# KiCad board sizif512ext.kicad_pcb
title: ZX Sizif-512-ext; date: 2021-06-22; rev: A1
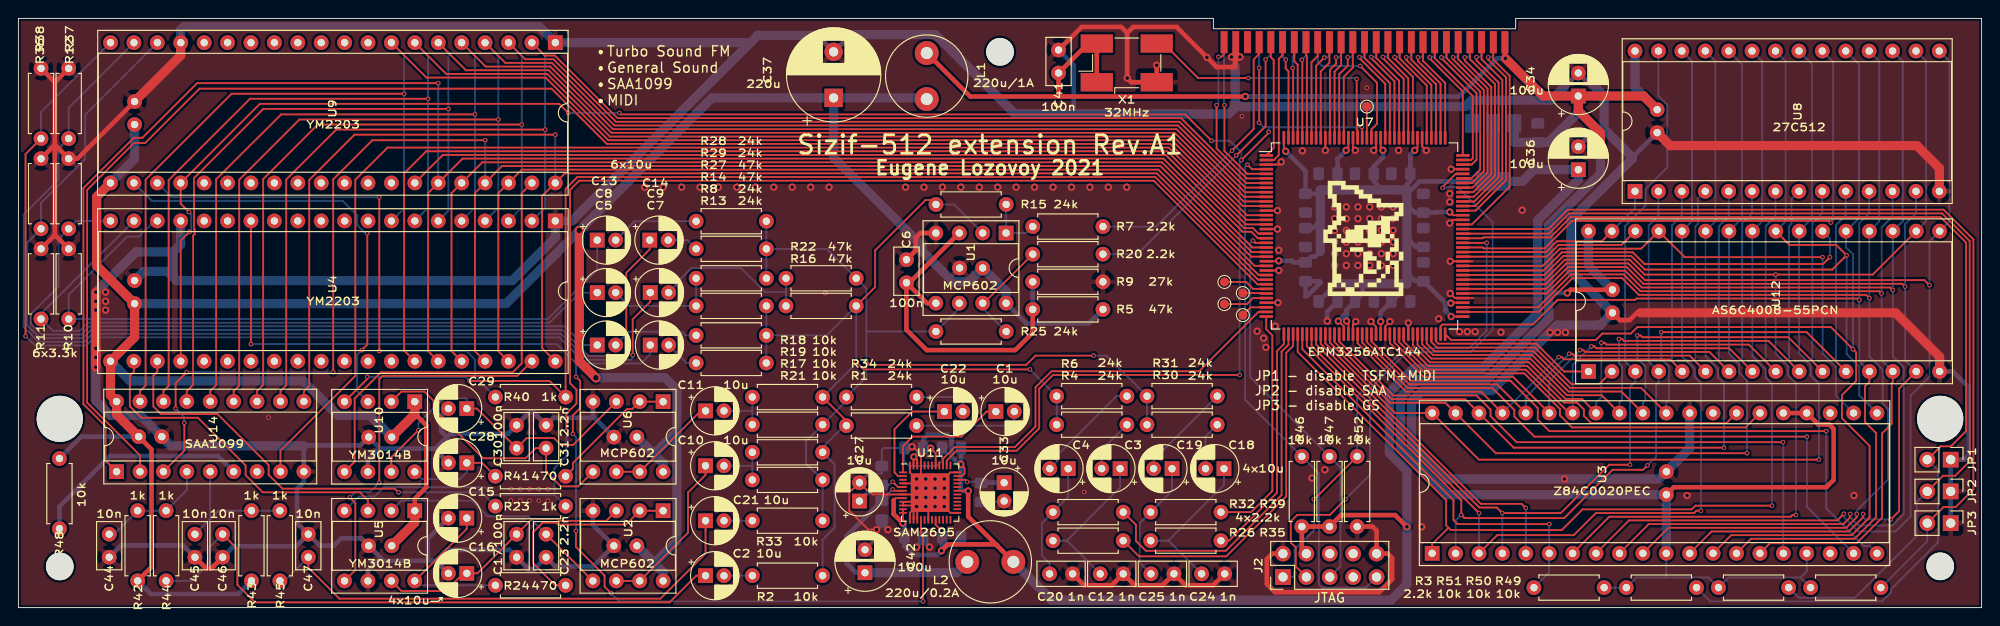
[diagram p0: board, top side]
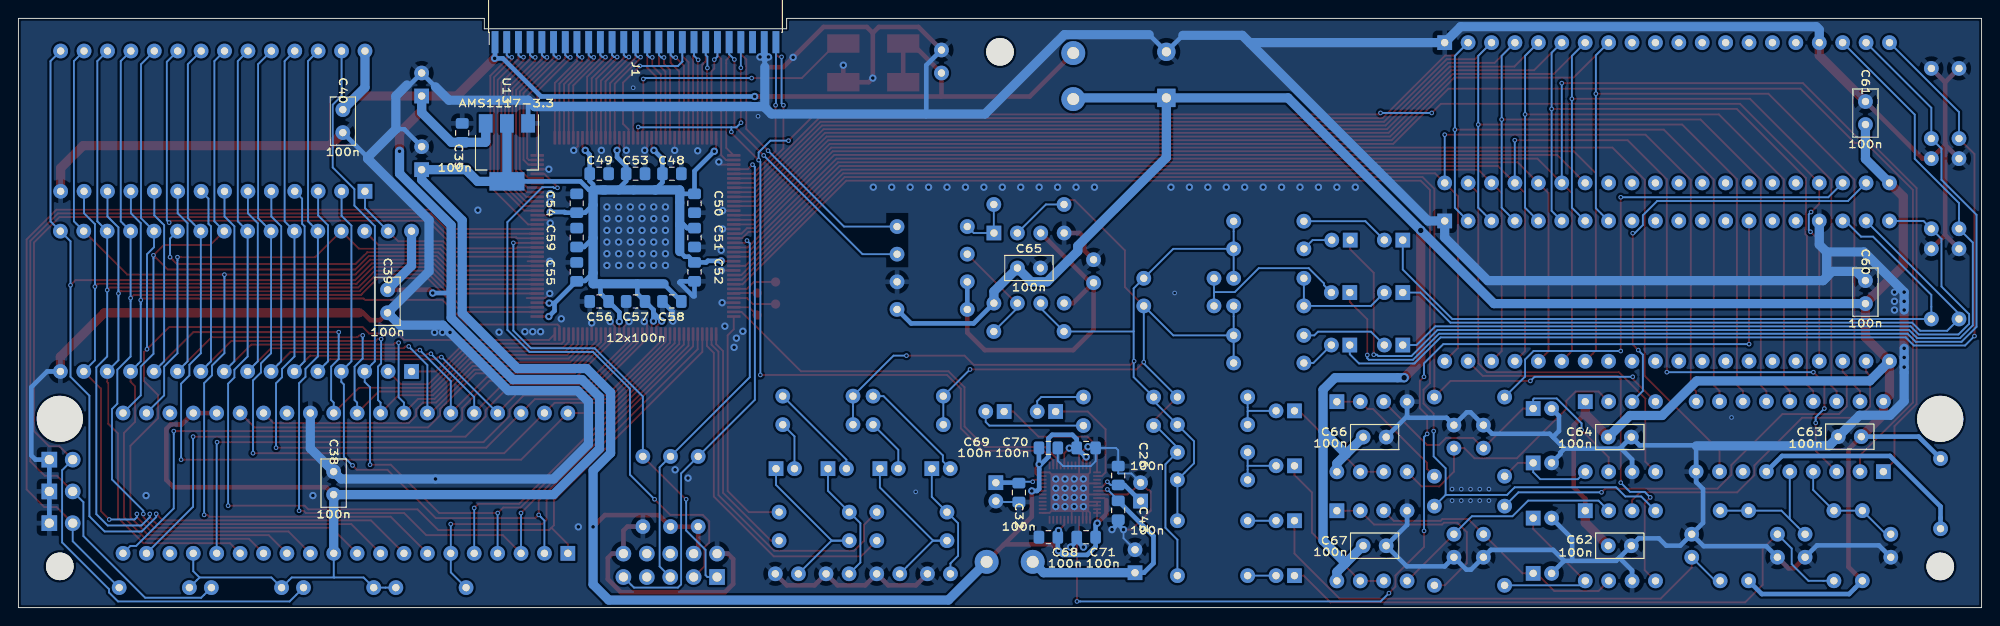
[diagram p1: board, bottom side, seen from below]

Outline 213 x 64 mm; copper layers: Top, Bottom. Coordinates in mm from the lower left corner of the outline.
Outline path: 0,64 129.65,64 129.65,62.87 162.45,62.87 162.45,64 213,64 213,0 0,0 0,64

## Placement (name value [footprint] x y rotation side)
C1  10u  [CP_Radial_D5.0mm_P2.00mm]  106.05 21.3 0 top
C2  10u  [CP_Radial_D5.0mm_P2.00mm]  74.55 3.47 0 top
C3  10u  [CP_Radial_D5.0mm_P2.00mm]  119.53 15.1 180 top
C4  10u  [CP_Radial_D5.0mm_P2.00mm]  113.9 15.1 180 top
C5  10u  [CP_Radial_D5.0mm_P2.00mm]  62.8 28.52 0 top
C6  100n  [C_Disc_D5.0mm_W2.5mm_P2.50mm]  96.35 37.79 270 top
C7  10u  [CP_Radial_D5.0mm_P2.00mm]  68.55 28.52 0 top
C8  10u  [CP_Radial_D5.0mm_P2.00mm]  62.8 34.22 0 top
C9  10u  [CP_Radial_D5.0mm_P2.00mm]  68.55 34.22 0 top
C10  10u  [CP_Radial_D5.0mm_P2.00mm]  74.55 15.4 0 top
C11  10u  [CP_Radial_D5.0mm_P2.00mm]  74.55 21.37 0 top
C12  1n  [C_Disc_D5.0mm_W2.5mm_P2.50mm]  117.38 3.67 0 top
C13  10u  [CP_Radial_D5.0mm_P2.00mm]  62.8 39.92 0 top
C14  10u  [CP_Radial_D5.0mm_P2.00mm]  68.5 39.92 0 top
C15  10u  [CP_Radial_D5.0mm_P2.00mm]  48.65 9.72 180 top
C16  10u  [CP_Radial_D5.0mm_P2.00mm]  48.65 3.72 180 top
C17  100n  [C_Disc_D5.0mm_W2.5mm_P2.50mm]  54.05 7.97 270 top
C18  10u  [CP_Radial_D5.0mm_P2.00mm]  130.8 15.1 180 top
C19  10u  [CP_Radial_D5.0mm_P2.00mm]  125.17 15.1 180 top
C20  1n  [C_Disc_D5.0mm_W2.5mm_P2.50mm]  111.88 3.67 0 top
C21  10u  [CP_Radial_D5.0mm_P2.00mm]  74.55 9.44 0 top
C22  10u  [CP_Radial_D5.0mm_P2.00mm]  100.46 21.3 0 top
C23  2.2n  [C_Disc_D5.0mm_W2.5mm_P2.50mm]  57.25 7.97 270 top
C24  1n  [C_Disc_D5.0mm_W2.5mm_P2.50mm]  128.38 3.67 0 top
C25  1n  [C_Disc_D5.0mm_W2.5mm_P2.50mm]  122.88 3.67 0 top
C26  100n  [C_0805_2012Metric_Pad1.15x1.40mm_HandSolder]  93.68 14.35 90 bottom
C27  10u  [CP_Radial_D5.0mm_P2.00mm]  91.25 11.57 90 top
C28  10u  [CP_Radial_D5.0mm_P2.00mm]  48.65 15.72 180 top
C29  10u  [CP_Radial_D5.0mm_P2.00mm]  48.65 21.62 180 top
C30  100n  [C_Disc_D5.0mm_W2.5mm_P2.50mm]  54.05 17.32 90 top
C31  2.2n  [C_Disc_D5.0mm_W2.5mm_P2.50mm]  57.25 17.32 90 top
C32  100n  [C_0805_2012Metric_Pad1.15x1.40mm_HandSolder]  104.45 12.5 270 bottom
C33  10u  [CP_Radial_D5.0mm_P2.00mm]  106.95 13.57 270 top
C34  100u  [CP_Radial_D6.3mm_P2.50mm]  169.25 55.57 90 top
C35  100n  [C_0805_2012Metric_Pad1.15x1.40mm_HandSolder]  164.85 51.57 270 bottom
C36  100u  [CP_Radial_D6.3mm_P2.50mm]  169.25 47.57 90 top
C37  220u  [CP_Radial_D10.0mm_P5.00mm]  88.45 55.37 90 top
C38  100n  [C_Disc_D5.0mm_W2.5mm_P2.50mm]  178.8 14.77 270 bottom
C39  100n  [C_Disc_D5.0mm_W2.5mm_P2.50mm]  172.95 32.03 90 bottom
C40  100n  [C_Disc_D5.0mm_W2.5mm_P2.50mm]  177.8 51.6 90 bottom
C41  100n  [C_Disc_D5.0mm_W2.5mm_P2.50mm]  112.85 60.57 270 top
C42  100u  [CP_Radial_D6.3mm_P2.50mm]  91.85 3.79 90 top
C43  100n  [C_0805_2012Metric_Pad1.15x1.40mm_HandSolder]  93.68 10.57 270 bottom
C44  10n  [C_Disc_D5.0mm_W2.5mm_P2.50mm]  9.85 7.97 270 top
C45  10n  [C_Disc_D5.0mm_W2.5mm_P2.50mm]  19.15 7.97 270 top
C46  10n  [C_Disc_D5.0mm_W2.5mm_P2.50mm]  22.15 7.97 270 top
C47  10n  [C_Disc_D5.0mm_W2.5mm_P2.50mm]  31.45 5.47 90 top
C48  100n  [C_0805_2012Metric_Pad1.15x1.40mm_HandSolder]  142.1 47.13 180 bottom
C49  100n  [C_0805_2012Metric_Pad1.15x1.40mm_HandSolder]  149.99 47.13 180 bottom
C50  100n  [C_0805_2012Metric_Pad1.15x1.40mm_HandSolder]  139.65 43.92 270 bottom
C51  100n  [C_0805_2012Metric_Pad1.15x1.40mm_HandSolder]  139.65 40.2 270 bottom
C52  100n  [C_0805_2012Metric_Pad1.15x1.40mm_HandSolder]  139.65 36.47 270 bottom
C53  100n  [C_0805_2012Metric_Pad1.15x1.40mm_HandSolder]  146.04 47.13 180 bottom
C54  100n  [C_0805_2012Metric_Pad1.15x1.40mm_HandSolder]  152.43 43.92 90 bottom
C55  100n  [C_0805_2012Metric_Pad1.15x1.40mm_HandSolder]  152.43 36.47 90 bottom
C56  100n  [C_0805_2012Metric_Pad1.15x1.40mm_HandSolder]  149.99 33.26 0 bottom
C57  100n  [C_0805_2012Metric_Pad1.15x1.40mm_HandSolder]  146.04 33.26 0 bottom
C58  100n  [C_0805_2012Metric_Pad1.15x1.40mm_HandSolder]  142.1 33.26 0 bottom
C59  100n  [C_0805_2012Metric_Pad1.15x1.40mm_HandSolder]  152.43 40.2 90 bottom
C60  100n  [C_Disc_D5.0mm_W2.5mm_P2.50mm]  12.6 35.52 270 bottom
C61  100n  [C_Disc_D5.0mm_W2.5mm_P2.50mm]  12.6 54.97 270 bottom
C62  100n  [C_Disc_D5.0mm_W2.5mm_P2.50mm]  38 6.72 0 bottom
C63  100n  [C_Disc_D5.0mm_W2.5mm_P2.50mm]  15.55 18.57 180 bottom
C64  100n  [C_Disc_D5.0mm_W2.5mm_P2.50mm]  38 18.52 0 bottom
C65  100n  [C_Disc_D5.0mm_W2.5mm_P2.50mm]  102.11 36.89 0 bottom
C66  100n  [C_Disc_D5.0mm_W2.5mm_P2.50mm]  64.6 18.52 0 bottom
C67  100n  [C_Disc_D5.0mm_W2.5mm_P2.50mm]  64.6 6.72 0 bottom
C68  100n  [C_0805_2012Metric_Pad1.15x1.40mm_HandSolder]  101.25 7.65 0 bottom
C69  100n  [C_0805_2012Metric_Pad1.15x1.40mm_HandSolder]  101.25 17.35 180 bottom
C70  100n  [C_0805_2012Metric_Pad1.15x1.40mm_HandSolder]  97.15 17.35 180 bottom
C71  100n  [C_0805_2012Metric_Pad1.15x1.40mm_HandSolder]  97.15 7.65 0 bottom
H1  MountingHole  [MountingHole_5mm_7mm_fence]  208.51 20.5 0 top
H2  MountingHole  [MountingHole_5mm_7mm_fence]  4.48 20.5 0 top
H3  MountingHole  [MountingHole_3mm]  106.5 60.37 0 top
H4  MountingHole  [MountingHole_3mm]  4.48 4.47 0 top
H5  MountingHole  [MountingHole_3mm]  208.51 4.47 0 top
J1  Conn_02x25_Odd_Even  [PinHeader_2x25_P1.27mm_Edge_SMD]  146.05 63.67 90 bottom
J2  PinHeader  [PinHeader_2x05_P2.54mm_Vertical]  137.2 3.32 90 top
JP1  Jumper / Pin header 1x2 Pitch=2.54mm  [PinHeader_1x02_P2.54mm_Vertical]  209.65 16.07 270 top
JP2  Jumper / Pin header 1x2 Pitch=2.54mm  [PinHeader_1x02_P2.54mm_Vertical]  209.65 12.62 270 top
JP3  Jumper / Pin header 1x2 Pitch=2.54mm  [PinHeader_1x02_P2.54mm_Vertical]  209.65 9.17 270 top
L1  220u/1A  [L_Radial_D8.7mm_P5.00mm_Fastron_07HCP]  98.55 60.24 270 top
L2  220u/0.2A  [L_Radial_D8.7mm_P5.00mm_Fastron_07HCP]  107.95 4.97 180 top
LOGO1  graphic  [black-mage2]  145.92 40.1 0 top
R1  24k  [R_Axial_DIN0207_L6.3mm_D2.5mm_P7.62mm_Horizontal]  89.83 19.77 0 top
R2  10k  [R_Axial_DIN0207_L6.3mm_D2.5mm_P7.62mm_Horizontal]  87.25 3.47 180 top
R3  2.2k  [R_Axial_DIN0207_L6.3mm_D2.5mm_P7.62mm_Horizontal]  172.05 2.17 180 top
R4  24k  [R_Axial_DIN0207_L6.3mm_D2.5mm_P7.62mm_Horizontal]  112.65 19.87 0 top
R5  47k  [R_Axial_DIN0207_L6.3mm_D2.5mm_P7.62mm_Horizontal]  110.05 32.39 0 top
R6  24k  [R_Axial_DIN0207_L6.3mm_D2.5mm_P7.62mm_Horizontal]  112.65 22.97 0 top
R7  2.2k  [R_Axial_DIN0207_L6.3mm_D2.5mm_P7.62mm_Horizontal]  117.67 41.39 180 top
R8  24k  [R_Axial_DIN0207_L6.3mm_D2.5mm_P7.62mm_Horizontal]  81.15 29.57 180 top
R9  27k  [R_Axial_DIN0207_L6.3mm_D2.5mm_P7.62mm_Horizontal]  110.05 35.39 0 top
R10  3.3k  [R_Axial_DIN0207_L6.3mm_D2.5mm_P7.62mm_Horizontal]  5.45 38.97 270 top
R11  3.3k  [R_Axial_DIN0207_L6.3mm_D2.5mm_P7.62mm_Horizontal]  2.45 38.97 270 top
R12  3.3k  [R_Axial_DIN0207_L6.3mm_D2.5mm_P7.62mm_Horizontal]  5.45 48.77 270 top
R13  24k  [R_Axial_DIN0207_L6.3mm_D2.5mm_P7.62mm_Horizontal]  81.15 26.57 180 top
R14  47k  [R_Axial_DIN0207_L6.3mm_D2.5mm_P7.62mm_Horizontal]  81.15 32.77 180 top
R15  24k  [R_Axial_DIN0207_L6.3mm_D2.5mm_P7.62mm_Horizontal]  99.55 43.79 0 top
R16  47k  [R_Axial_DIN0207_L6.3mm_D2.5mm_P7.62mm_Horizontal]  90.9 32.77 180 top
R17  10k  [R_Axial_DIN0207_L6.3mm_D2.5mm_P7.62mm_Horizontal]  87.25 16.87 180 top
R18  10k  [R_Axial_DIN0207_L6.3mm_D2.5mm_P7.62mm_Horizontal]  87.25 22.87 180 top
R19  10k  [R_Axial_DIN0207_L6.3mm_D2.5mm_P7.62mm_Horizontal]  87.25 19.87 180 top
R20  2.2k  [R_Axial_DIN0207_L6.3mm_D2.5mm_P7.62mm_Horizontal]  117.67 38.39 180 top
R21  10k  [R_Axial_DIN0207_L6.3mm_D2.5mm_P7.62mm_Horizontal]  87.25 13.87 180 top
R22  47k  [R_Axial_DIN0207_L6.3mm_D2.5mm_P7.62mm_Horizontal]  90.9 35.77 180 top
R23  1k  [R_Axial_DIN0207_L6.3mm_D2.5mm_P7.62mm_Horizontal]  51.75 11.02 0 top
R24  470  [R_Axial_DIN0207_L6.3mm_D2.5mm_P7.62mm_Horizontal]  59.37 2.42 180 top
R25  24k  [R_Axial_DIN0207_L6.3mm_D2.5mm_P7.62mm_Horizontal]  99.55 29.99 0 top
R26  2.2k  [R_Axial_DIN0207_L6.3mm_D2.5mm_P7.62mm_Horizontal]  112.25 7.27 0 top
R27  47k  [R_Axial_DIN0207_L6.3mm_D2.5mm_P7.62mm_Horizontal]  81.15 35.77 180 top
R28  24k  [R_Axial_DIN0207_L6.3mm_D2.5mm_P7.62mm_Horizontal]  81.15 41.97 180 top
R29  24k  [R_Axial_DIN0207_L6.3mm_D2.5mm_P7.62mm_Horizontal]  81.15 38.97 180 top
R30  24k  [R_Axial_DIN0207_L6.3mm_D2.5mm_P7.62mm_Horizontal]  122.45 19.87 0 top
R31  24k  [R_Axial_DIN0207_L6.3mm_D2.5mm_P7.62mm_Horizontal]  122.45 22.97 0 top
R32  2.2k  [R_Axial_DIN0207_L6.3mm_D2.5mm_P7.62mm_Horizontal]  112.25 10.37 0 top
R33  10k  [R_Axial_DIN0207_L6.3mm_D2.5mm_P7.62mm_Horizontal]  87.25 9.44 180 top
R34  24k  [R_Axial_DIN0207_L6.3mm_D2.5mm_P7.62mm_Horizontal]  89.83 22.87 0 top
R35  2.2k  [R_Axial_DIN0207_L6.3mm_D2.5mm_P7.62mm_Horizontal]  122.85 7.27 0 top
R36  3.3k  [R_Axial_DIN0207_L6.3mm_D2.5mm_P7.62mm_Horizontal]  2.45 48.77 270 top
R37  3.3k  [R_Axial_DIN0207_L6.3mm_D2.5mm_P7.62mm_Horizontal]  5.45 58.57 270 top
R38  3.3k  [R_Axial_DIN0207_L6.3mm_D2.5mm_P7.62mm_Horizontal]  2.45 58.57 270 top
R39  2.2k  [R_Axial_DIN0207_L6.3mm_D2.5mm_P7.62mm_Horizontal]  122.85 10.37 0 top
R40  1k  [R_Axial_DIN0207_L6.3mm_D2.5mm_P7.62mm_Horizontal]  51.75 22.87 0 top
R41  470  [R_Axial_DIN0207_L6.3mm_D2.5mm_P7.62mm_Horizontal]  59.37 14.27 180 top
R42  1k  [R_Axial_DIN0207_L6.3mm_D2.5mm_P7.62mm_Horizontal]  12.94 10.53 270 top
R43  1k  [R_Axial_DIN0207_L6.3mm_D2.5mm_P7.62mm_Horizontal]  25.28 10.53 270 top
R44  1k  [R_Axial_DIN0207_L6.3mm_D2.5mm_P7.62mm_Horizontal]  16.02 10.53 270 top
R45  1k  [R_Axial_DIN0207_L6.3mm_D2.5mm_P7.62mm_Horizontal]  28.36 10.53 270 top
R46  10k  [R_Axial_DIN0207_L6.3mm_D2.5mm_P7.62mm_Horizontal]  139.25 16.42 270 top
R47  10k  [R_Axial_DIN0207_L6.3mm_D2.5mm_P7.62mm_Horizontal]  142.25 16.42 270 top
R48  10k  [R_Axial_DIN0207_L6.3mm_D2.5mm_P7.62mm_Horizontal]  4.45 8.57 90 top
R49  10k  [R_Axial_DIN0207_L6.3mm_D2.5mm_P7.62mm_Horizontal]  194.45 2.17 0 top
R50  10k  [R_Axial_DIN0207_L6.3mm_D2.5mm_P7.62mm_Horizontal]  184.45 2.17 0 top
R51  10k  [R_Axial_DIN0207_L6.3mm_D2.5mm_P7.62mm_Horizontal]  174.45 2.17 0 top
R52  10k  [R_Axial_DIN0207_L6.3mm_D2.5mm_P7.62mm_Horizontal]  145.25 16.42 270 top
TP1  TestPoint  [TestPoint_Pad_D1.0mm]  146.3 54.42 0 top
TP2  TestPoint  [TestPoint_Pad_D1.0mm]  130.85 35.37 0 top
TP3  TestPoint  [TestPoint_Pad_D1.0mm]  132.85 34.17 0 top
TP4  TestPoint  [TestPoint_Pad_D1.0mm]  130.85 32.97 0 top
TP5  TestPoint  [TestPoint_Pad_D1.0mm]  132.85 31.77 0 top
U1  MCP602  [DIP-8_W7.62mm_Socket]  107.16 40.69 270 top
U2  MCP602  [DIP-8_W7.62mm_Socket]  69.95 10.52 270 top
U3  Z84C0020PEC  [DIP-40_W15.24mm_Socket]  153.39 5.9 90 top
U4  YM2203  [DIP-40_W15.24mm_Socket]  58.25 42 270 top
U5  YM3014B  [DIP-8_W7.62mm_Socket]  43 10.52 270 top
U6  MCP602  [DIP-8_W7.62mm_Socket]  69.95 22.37 270 top
U7  EPM3256ATC144  [TQFP-144_20x20mm_P0.5mm]  146.05 40.37 0 top
U8  27C512  [DIP-28_W15.24mm_Socket]  175.4 45.22 90 top
U9  YM2203  [DIP-40_W15.24mm_Socket]  58.25 61.37 270 top
U10  YM3014B  [DIP-8_W7.62mm_Socket]  43 22.37 270 top
U11  SAM2695  [QFN-48-1EP_6x6mm_P0.4mm_EP4.2x4.2mm]  98.92 12.49 0 top
U12  AS6C4008-55PCN  [DIP-32_W15.24mm_Socket]  170.35 25.65 90 top
U13  AMS1117-3.3  [SOT-223-3_TabPin2]  160 49.45 270 bottom
U14  SAA1099  [DIP-18_W7.62mm_Socket]  10.65 14.77 90 top
X1  32MHz  [Oscillator_SMD_EuroQuartz_XO91-4Pin_7.0x5.0mm_HandSoldering]  120.25 59.17 0 top

## Library data of the parts
J2 = -: Desc: JTAG
LOGO1 = -: Desc: Logo

## Footprints (pads in the part's own frame, mm; a bottom-side part is the same pattern mirrored in y, then rotated)
C_0805_2012Metric_Pad1.15x1.40mm_HandSolder
  rrect 1.15x1.4 smd: 1(-1.025,0) 2(1.025,0)
C_Disc_D5.0mm_W2.5mm_P2.50mm
  round 1.6 hole 0.8: 1(0,0) 2(2.5,0)
CP_Radial_D5.0mm_P2.00mm
  rect 1.6x1.6 hole 0.8: 1(0,0)
  round 1.6 hole 0.8: 2(2,0)
CP_Radial_D6.3mm_P2.50mm
  rect 1.6x1.6 hole 0.8: 1(0,0)
  round 1.6 hole 0.8: 2(2.5,0)
CP_Radial_D10.0mm_P5.00mm
  rect 2x2 hole 1: 1(0,0)
  round 2 hole 1: 2(5,0)
DIP-8_W7.62mm_Socket
  rect 1.6x1.6 hole 0.8: 1(0,0)
  oval 1.6x1.6 hole 0.8: 2(0,-2.54) 3(0,-5.08) 4(0,-7.62) 5(7.62,-7.62) 6(7.62,-5.08) 7(7.62,-2.54) 8(7.62,0)
DIP-18_W7.62mm_Socket
  rect 1.6x1.6 hole 0.8: 1(0,0)
  oval 1.6x1.6 hole 0.8: 2(0,-2.54) 3(0,-5.08) 4(0,-7.62) 5(0,-10.16) 6(0,-12.7) 7(0,-15.24) 8(0,-17.78) 9(0,-20.32) 10(7.62,-20.32) 11(7.62,-17.78) 12(7.62,-15.24) 13(7.62,-12.7) 14(7.62,-10.16) 15(7.62,-7.62) 16(7.62,-5.08) 17(7.62,-2.54) 18(7.62,0)
DIP-28_W15.24mm_Socket
  rect 1.6x1.6 hole 0.8: 1(0,0)
  oval 1.6x1.6 hole 0.8: 2(0,-2.54) 3(0,-5.08) 4(0,-7.62) 5(0,-10.16) 6(0,-12.7) 7(0,-15.24) 8(0,-17.78) 9(0,-20.32) 10(0,-22.86) 11(0,-25.4) 12(0,-27.94) 13(0,-30.48) 14(0,-33.02) 15(15.24,-33.02) 16(15.24,-30.48) 17(15.24,-27.94) 18(15.24,-25.4) 19(15.24,-22.86) 20(15.24,-20.32) 21(15.24,-17.78) 22(15.24,-15.24) 23(15.24,-12.7) 24(15.24,-10.16) 25(15.24,-7.62) 26(15.24,-5.08) 27(15.24,-2.54) 28(15.24,0)
DIP-32_W15.24mm_Socket
  rect 1.6x1.6 hole 0.8: 1(0,0)
  oval 1.6x1.6 hole 0.8: 2(0,-2.54) 3(0,-5.08) 4(0,-7.62) 5(0,-10.16) 6(0,-12.7) 7(0,-15.24) 8(0,-17.78) 9(0,-20.32) 10(0,-22.86) 11(0,-25.4) 12(0,-27.94) 13(0,-30.48) 14(0,-33.02) 15(0,-35.56) 16(0,-38.1) 17(15.24,-38.1) 18(15.24,-35.56) 19(15.24,-33.02) 20(15.24,-30.48) 21(15.24,-27.94) 22(15.24,-25.4) 23(15.24,-22.86) 24(15.24,-20.32) 25(15.24,-17.78) 26(15.24,-15.24) 27(15.24,-12.7) 28(15.24,-10.16) 29(15.24,-7.62) 30(15.24,-5.08) 31(15.24,-2.54) 32(15.24,0)
DIP-40_W15.24mm_Socket
  rect 1.6x1.6 hole 0.8: 1(0,0)
  oval 1.6x1.6 hole 0.8: 2(0,-2.54) 3(0,-5.08) 4(0,-7.62) 5(0,-10.16) 6(0,-12.7) 7(0,-15.24) 8(0,-17.78) 9(0,-20.32) 10(0,-22.86) 11(0,-25.4) 12(0,-27.94) 13(0,-30.48) 14(0,-33.02) 15(0,-35.56) 16(0,-38.1) 17(0,-40.64) 18(0,-43.18) 19(0,-45.72) 20(0,-48.26) 21(15.24,-48.26) 22(15.24,-45.72) 23(15.24,-43.18) 24(15.24,-40.64) 25(15.24,-38.1) 26(15.24,-35.56) 27(15.24,-33.02) 28(15.24,-30.48) 29(15.24,-27.94) 30(15.24,-25.4) 31(15.24,-22.86) 32(15.24,-20.32) 33(15.24,-17.78) 34(15.24,-15.24) 35(15.24,-12.7) 36(15.24,-10.16) 37(15.24,-7.62) 38(15.24,-5.08) 39(15.24,-2.54) 40(15.24,0)
L_Radial_D8.7mm_P5.00mm_Fastron_07HCP
  round 2.6 hole 1.3: 1(0,0) 2(5,0)
MountingHole_3mm
  round 3 hole 3 unplated: (0,0)
MountingHole_5mm_7mm_fence
  round 5 hole 5 unplated: (0,0)
Oscillator_SMD_EuroQuartz_XO91-4Pin_7.0x5.0mm_HandSoldering
  rect 3.5x2 smd: 1(-3.25,-2.1) 2(3.25,-2.1) 3(3.25,2.1) 4(-3.25,2.1)
PinHeader_1x02_P2.54mm_Vertical
  rect 1.7x1.7 hole 1: 1(0,0)
  oval 1.7x1.7 hole 1: 2(0,-2.54)
PinHeader_2x05_P2.54mm_Vertical
  rect 1.7x1.7 hole 1: 1(0,0)
  oval 1.7x1.7 hole 1: 2(2.54,0) 3(0,-2.54) 4(2.54,-2.54) 5(0,-5.08) 6(2.54,-5.08) 7(0,-7.62) 8(2.54,-7.62) 9(0,-10.16) 10(2.54,-10.16)
PinHeader_2x25_P1.27mm_Edge_SMD
  rect 2.4x0.74 smd: 1(-2.25,15.24) 3(-2.25,13.97) 5(-2.25,12.7) 7(-2.25,11.43) 9(-2.25,10.16) 11(-2.25,8.89) 13(-2.25,7.62) 15(-2.25,6.35) 17(-2.25,5.08) 19(-2.25,3.81) 21(-2.25,2.54) 23(-2.25,1.27) 25(-2.25,0) 27(-2.25,-1.27) 29(-2.25,-2.54) 31(-2.25,-3.81) 33(-2.25,-5.08) 35(-2.25,-6.35) 37(-2.25,-7.62) 39(-2.25,-8.89) 41(-2.25,-10.16) 43(-2.25,-11.43) 45(-2.25,-12.7) 47(-2.25,-13.97) 49(-2.25,-15.24)
  rect 2.4x0.74 smd far side: 2(-2.25,15.24) 4(-2.25,13.97) 6(-2.25,12.7) 8(-2.25,11.43) 10(-2.25,10.16) 12(-2.25,8.89) 14(-2.25,7.62) 16(-2.25,6.35) 18(-2.25,5.08) 20(-2.25,3.81) 22(-2.25,2.54) 24(-2.25,1.27) 26(-2.25,0) 28(-2.25,-1.27) 30(-2.25,-2.54) 32(-2.25,-3.81) 34(-2.25,-5.08) 36(-2.25,-6.35) 38(-2.25,-7.62) 40(-2.25,-8.89) 42(-2.25,-10.16) 44(-2.25,-11.43) 46(-2.25,-12.7) 48(-2.25,-13.97) 50(-2.25,-15.24)
QFN-48-1EP_6x6mm_P0.4mm_EP4.2x4.2mm
  rrect 1.13x1.13 smd: (-1.4,1.4) (-1.4,0) (-1.4,-1.4) (0,1.4) (0,0) (0,-1.4) (1.4,1.4) (1.4,0) (1.4,-1.4)
  rrect 0.85x0.2 smd: 1(-2.95,2.2) 2(-2.95,1.8) 3(-2.95,1.4) 4(-2.95,1) 5(-2.95,0.6) 6(-2.95,0.2) 7(-2.95,-0.2) 8(-2.95,-0.6) 9(-2.95,-1) 10(-2.95,-1.4) 11(-2.95,-1.8) 12(-2.95,-2.2) 25(2.95,-2.2) 26(2.95,-1.8) 27(2.95,-1.4) 28(2.95,-1) 29(2.95,-0.6) 30(2.95,-0.2) 31(2.95,0.2) 32(2.95,0.6) 33(2.95,1) 34(2.95,1.4) 35(2.95,1.8) 36(2.95,2.2)
  rrect 0.2x0.85 smd: 13(-2.2,-2.95) 14(-1.8,-2.95) 15(-1.4,-2.95) 16(-1,-2.95) 17(-0.6,-2.95) 18(-0.2,-2.95) 19(0.2,-2.95) 20(0.6,-2.95) 21(1,-2.95) 22(1.4,-2.95) 23(1.8,-2.95) 24(2.2,-2.95) 37(2.2,2.95) 38(1.8,2.95) 39(1.4,2.95) 40(1,2.95) 41(0.6,2.95) 42(0.2,2.95) 43(-0.2,2.95) 44(-0.6,2.95) 45(-1,2.95) 46(-1.4,2.95) 47(-1.8,2.95) 48(-2.2,2.95)
  rrect 4.2x4.2 smd: 49(0,0)
R_Axial_DIN0207_L6.3mm_D2.5mm_P7.62mm_Horizontal
  round 1.6 hole 0.8: 1(0,0)
  oval 1.6x1.6 hole 0.8: 2(7.62,0)
SOT-223-3_TabPin2
  rect 2x1.5 smd: 1(-3.15,2.3) 2(-3.15,0) 3(-3.15,-2.3)
  rect 2x3.8 smd: 2(3.15,0)
TestPoint_Pad_D1.0mm
  round 1 smd: 1(0,0)
TQFP-144_20x20mm_P0.5mm
  rrect 1.475x0.3 smd: 1(-10.662,8.75) 2(-10.662,8.25) 3(-10.662,7.75) 4(-10.662,7.25) 5(-10.662,6.75) 6(-10.662,6.25) 7(-10.662,5.75) 8(-10.662,5.25) 9(-10.662,4.75) 10(-10.662,4.25) 11(-10.662,3.75) 12(-10.662,3.25) 13(-10.662,2.75) 14(-10.662,2.25) 15(-10.662,1.75) 16(-10.662,1.25) 17(-10.662,0.75) 18(-10.662,0.25) 19(-10.662,-0.25) 20(-10.662,-0.75) 21(-10.662,-1.25) 22(-10.662,-1.75) 23(-10.662,-2.25) 24(-10.662,-2.75) 25(-10.662,-3.25) 26(-10.662,-3.75) 27(-10.662,-4.25) 28(-10.662,-4.75) 29(-10.662,-5.25) 30(-10.662,-5.75) 31(-10.662,-6.25) 32(-10.662,-6.75) 33(-10.662,-7.25) 34(-10.662,-7.75) 35(-10.662,-8.25) 36(-10.662,-8.75) 73(10.662,-8.75) 74(10.662,-8.25) 75(10.662,-7.75) 76(10.662,-7.25) 77(10.662,-6.75) 78(10.662,-6.25) 79(10.662,-5.75) 80(10.662,-5.25) 81(10.662,-4.75) 82(10.662,-4.25) 83(10.662,-3.75) 84(10.662,-3.25) 85(10.662,-2.75) 86(10.662,-2.25) 87(10.662,-1.75) 88(10.662,-1.25) 89(10.662,-0.75) 90(10.662,-0.25) 91(10.662,0.25) 92(10.662,0.75) 93(10.662,1.25) 94(10.662,1.75) 95(10.662,2.25) 96(10.662,2.75) 97(10.662,3.25) 98(10.662,3.75) 99(10.662,4.25) 100(10.662,4.75) 101(10.662,5.25) 102(10.662,5.75) 103(10.662,6.25) 104(10.662,6.75) 105(10.662,7.25) 106(10.662,7.75) 107(10.662,8.25) 108(10.662,8.75)
  rrect 0.3x1.475 smd: 37(-8.75,-10.662) 38(-8.25,-10.662) 39(-7.75,-10.662) 40(-7.25,-10.662) 41(-6.75,-10.662) 42(-6.25,-10.662) 43(-5.75,-10.662) 44(-5.25,-10.662) 45(-4.75,-10.662) 46(-4.25,-10.662) 47(-3.75,-10.662) 48(-3.25,-10.662) 49(-2.75,-10.662) 50(-2.25,-10.662) 51(-1.75,-10.662) 52(-1.25,-10.662) 53(-0.75,-10.662) 54(-0.25,-10.662) 55(0.25,-10.662) 56(0.75,-10.662) 57(1.25,-10.662) 58(1.75,-10.662) 59(2.25,-10.662) 60(2.75,-10.662) 61(3.25,-10.662) 62(3.75,-10.662) 63(4.25,-10.662) 64(4.75,-10.662) 65(5.25,-10.662) 66(5.75,-10.662) 67(6.25,-10.662) 68(6.75,-10.662) 69(7.25,-10.662) 70(7.75,-10.662) 71(8.25,-10.662) 72(8.75,-10.662) 109(8.75,10.662) 110(8.25,10.662) 111(7.75,10.662) 112(7.25,10.662) 113(6.75,10.662) 114(6.25,10.662) 115(5.75,10.662) 116(5.25,10.662) 117(4.75,10.662) 118(4.25,10.662) 119(3.75,10.662) 120(3.25,10.662) 121(2.75,10.662) 122(2.25,10.662) 123(1.75,10.662) 124(1.25,10.662) 125(0.75,10.662) 126(0.25,10.662) 127(-0.25,10.662) 128(-0.75,10.662) 129(-1.25,10.662) 130(-1.75,10.662) 131(-2.25,10.662) 132(-2.75,10.662) 133(-3.25,10.662) 134(-3.75,10.662) 135(-4.25,10.662) 136(-4.75,10.662) 137(-5.25,10.662) 138(-5.75,10.662) 139(-6.25,10.662) 140(-6.75,10.662) 141(-7.25,10.662) 142(-7.75,10.662) 143(-8.25,10.662) 144(-8.75,10.662)

## Nets
+3.3VA: C42.1 C43.1 L2.2 U11.6
+3V3: C36.1 C48.1 C49.1 C50.1 C51.1 C52.1 C53.1 C54.1 C55.1 C56.1 C57.1 C58.1 C59.1 C68.1 C69.1 C70.1 C71.1 J2.4 L2.1 R46.2 R47.2 U7.24 U7.50 U7.51 U7.58 U7.73 U7.76 U7.95 U7.115 U7.123 U7.130 U7.144 U11.8 U11.11 U11.12 U11.20 U11.31 U11.35 U11.41 U11.46 U11.47 U13.2
+5V: C34.1 C35.2 C38.2 C39.2 C40.2 C41.2 J1.1 J1.2 L1.1 R3.1 R49.1 R50.1 R51.1 U3.11 U3.17 U3.24 U3.25 U8.28 U12.32 U13.3 X1.1 X1.4
+5VA: C37.1 C60.2 C61.2 C62.2 C63.2 C64.2 C65.2 C66.2 C67.2 L1.2 R5.2 R42.2 R43.2 R48.2 U1.8 U2.8 U4.21 U5.1 U6.8 U9.21 U10.1 U14.18
GND: C6.1 C12.2 C15.2 C16.2 C17.2 C20.2 C23.2 C24.2 C25.2 C26.2 C27.2 C28.2 C29.2 C30.2 C31.2 C32.2 C33.2 C34.2 C35.1 C36.2 C37.2 C38.1 C39.1 C40.1 C41.1 C42.2 C43.2 C44.2 C45.2 C46.2 C47.2 C48.2 C49.2 C50.2 C51.2 C52.2 C53.2 C54.2 C55.2 C56.2 C57.2 C58.2 C59.2 C60.1 C61.1 C62.1 C63.1 C64.1 C65.1 C66.1 C67.1 C68.2 C69.2 C70.2 C71.2 J1.47 J1.48 J2.2 J2.10 JP1.1 JP2.1 JP3.1 R9.2 R10.1 R11.1 R12.1 R36.1 R37.1 R38.1 R52.2 U1.4 U2.4 U3.29 U4.1 U4.17 U5.6 U6.4 U7.3 U7.13 U7.17 U7.26 U7.33 U7.52 U7.57 U7.59 U7.64 U7.77 U7.85 U7.94 U7.105 U7.114 U7.124 U7.129 U7.135 U8.14 U9.1 U9.17 U10.6 U11.4 U11.7 U11.9 U11.10 U11.13 U11.14 U11.15 U11.18 U11.25 U11.36 U11.45 U11.48 U11.49 U12.16 U13.1 U14.9 X1.2
/A0: J1.36 U7.139
/A1: J1.34 U7.138
/A2: J1.31 U7.137
/A3: J1.32 U7.136
/A4: J1.29 U7.134
/A5: J1.35 U7.140
/A6: J1.30 U7.133
/A7: J1.27 U7.132
/A8: J1.5 U7.98
/A9: J1.10 U7.101
/A10: J1.12 U7.103
/A11: J1.9 U7.102
/A12: J1.7 U7.100
/A13: J1.19 U7.116
/A14: J1.23 U7.120
/A15: J1.24 U7.119
/AA0: U4.37 U7.23 U9.37 U14.3
/AD0: U4.40 U7.27 U9.40 U14.10
/AD1: U4.2 U7.7 U9.2 U14.11
/AD2: U4.3 U7.8 U9.3 U14.12
/AD3: U4.4 U7.9 U9.4 U14.13
/AD4: U4.5 U7.10 U9.5 U14.14
/AD5: U4.6 U7.11 U9.6 U14.15
/AD6: U4.7 U7.12 U9.7 U14.16
/AD7: U4.8 U7.14 U9.8 U14.17
/AY_A1: C5.1 R12.2 U4.20
/AY_A2: C7.1 R38.2 U9.20
/AY_B1: C8.1 R11.2 U4.19
/AY_B2: C9.1 R37.2 U9.19
/AY_C1: C13.1 R10.2 U4.18
/AY_C2: C14.1 R36.2 U9.18
/BUS0: J1.50 U7.6
/BUS1: J1.49 U7.5
/CFG0: JP1.2 R51.2 U7.90
/CFG1: JP2.2 R50.2 U7.91
/CFG2: JP3.2 R49.2 U7.92
/CLK32: U7.128 X1.3
/CLKCPU: J1.33 U7.125
/D0: J1.38 U7.141
/D1: J1.37 U7.142
/D2: J1.40 U7.2
/D3: J1.21 U7.118
/D4: J1.22 U7.117
/D5: J1.17 U7.112
/D6: J1.15 U7.110
/D7: J1.13 U7.108
/FM1: C10.1 U2.6 U2.7
/FM1_ENA: R23.2 U5.4 U7.29
/FM2: C11.1 U6.6 U6.7
/FM2_ENA: R40.2 U7.28 U10.4
/GA0: U3.30 U7.68 U8.10 U12.12
/GA1: U3.31 U7.67 U8.9 U12.11
/GA2: U3.32 U7.66 U8.8 U12.10
/GA3: U3.33 U7.65 U8.7 U12.9
/GA4: U3.34 U7.62 U8.6 U12.8
/GA5: U3.35 U7.60 U8.5 U12.7
/GA6: U3.36 U7.55 U8.4 U12.6
/GA7: U3.37 U7.53 U8.3 U12.5
/GA8: U3.38 U7.48 U8.25 U12.27
/GA9: U3.39 U7.47 U8.24 U12.26
/GA10: U3.40 U7.46 U8.21 U12.23
/GA11: U3.1 U7.40 U8.23 U12.25
/GA12: U3.2 U7.42 U8.2 U12.4
/GA13: U3.3 U7.43 U8.26 U12.28
/GA14: U3.4 U7.44 U8.27 U12.3
/GA15: U3.5 U7.45
/GCH0: C3.1 C12.1 R26.1
/GCH1: C4.1 C20.1 R32.1
/GCH2: C18.1 C24.1 R35.1
/GCH3: C19.1 C25.1 R39.1
/GCLK: R3.2 U3.6 U7.41
/GD0: U3.14 U7.71 U8.11 U12.13
/GD1: U3.15 U7.75 U8.12 U12.14
/GD2: U3.12 U7.79 U8.13 U12.15
/GD3: U3.8 U7.80 U8.15 U12.17
/GD4: U3.7 U7.81 U8.16 U12.18
/GD5: U3.9 U7.78 U8.17 U12.19
/GD6: U3.10 U7.74 U8.18 U12.20
/GD7: U3.13 U7.72 U8.19 U12.21
/GDAC0: R26.2 U7.39
/GDAC1: R32.2 U7.38
/GDAC2: R35.2 U7.37
/GDAC3: R39.2 U7.36
/GMA15: U7.87 U8.1 U12.31
/GMA16: U7.69 U12.2
/GMA17: U7.70 U12.1
/GMA18: U7.86 U12.30
/MIDI_CLK: U7.35 U11.39
/MIDI_IN: U4.14 U11.16
/MIDI_L: C1.1 U11.1
/MIDI_R: C22.1 U11.2
/MIX_L: J1.44 R7.1
/MIX_R: J1.41 R20.1
/SAA_CLK: U7.16 U14.8